# Altium PCB Module Board - OLD.PcbDoc (part 1 of 4) (continued)
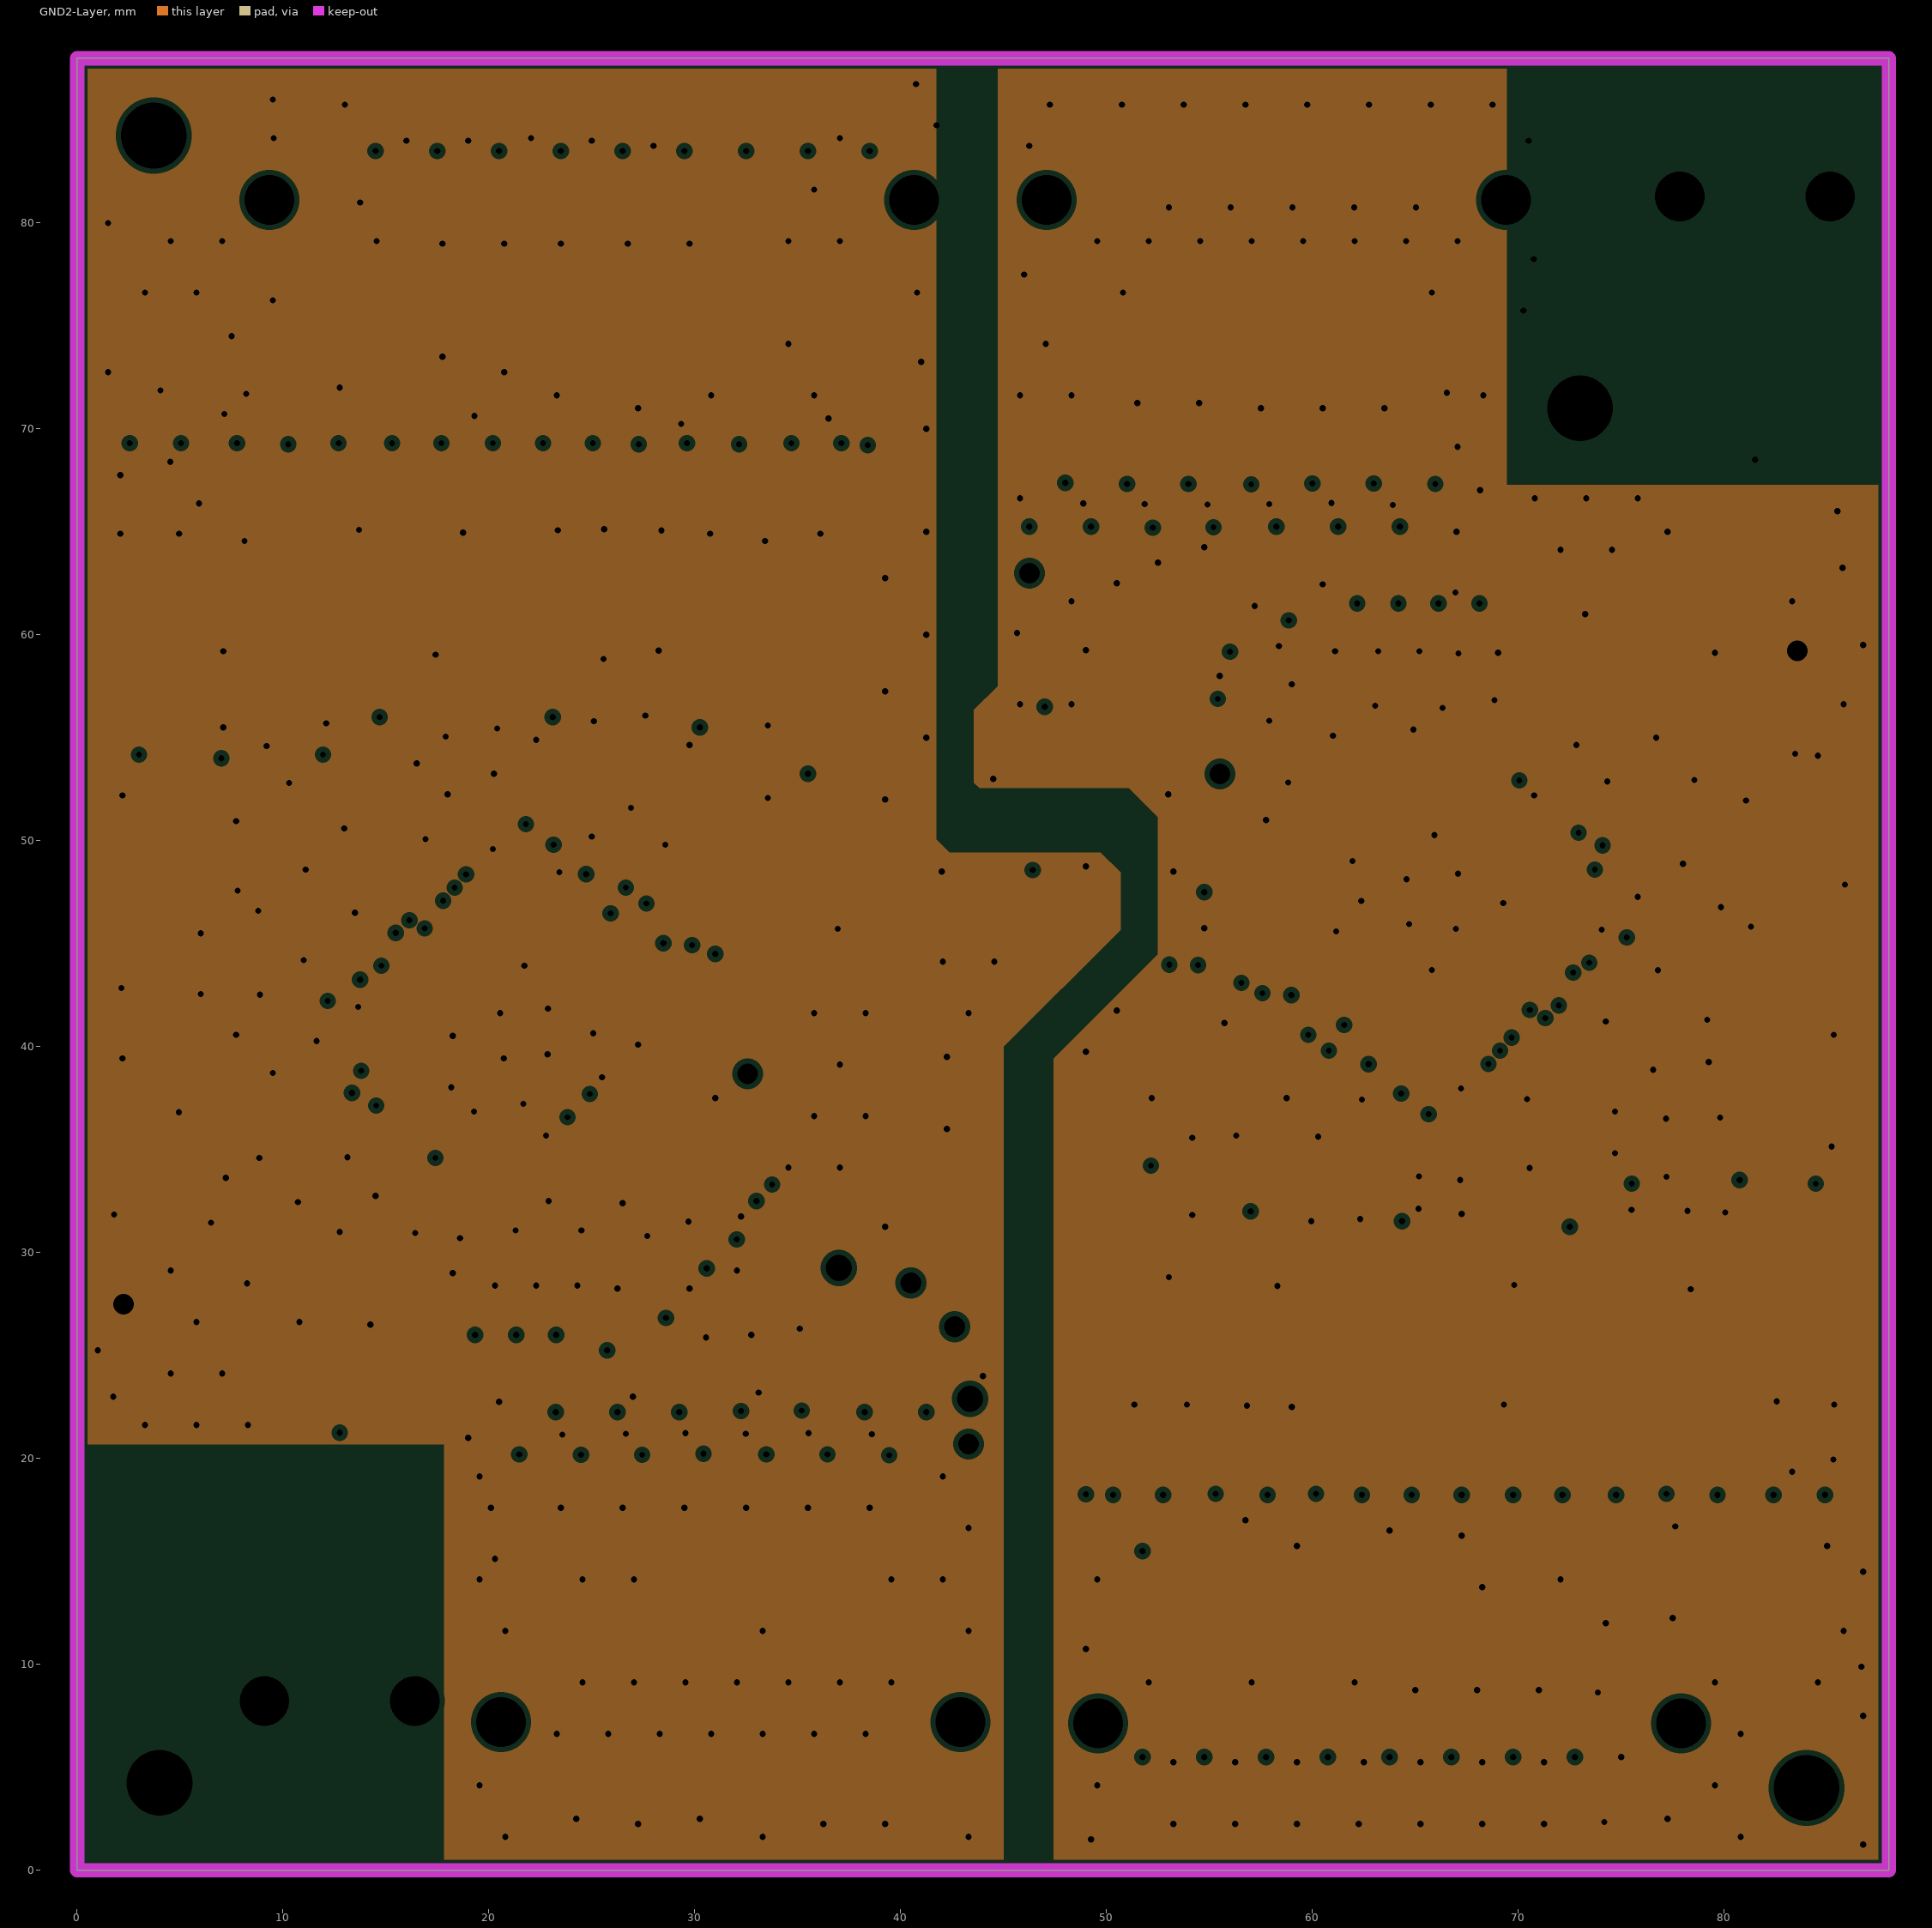
[diagram p3: GND2-Layer, clearances drawn from the general rule]
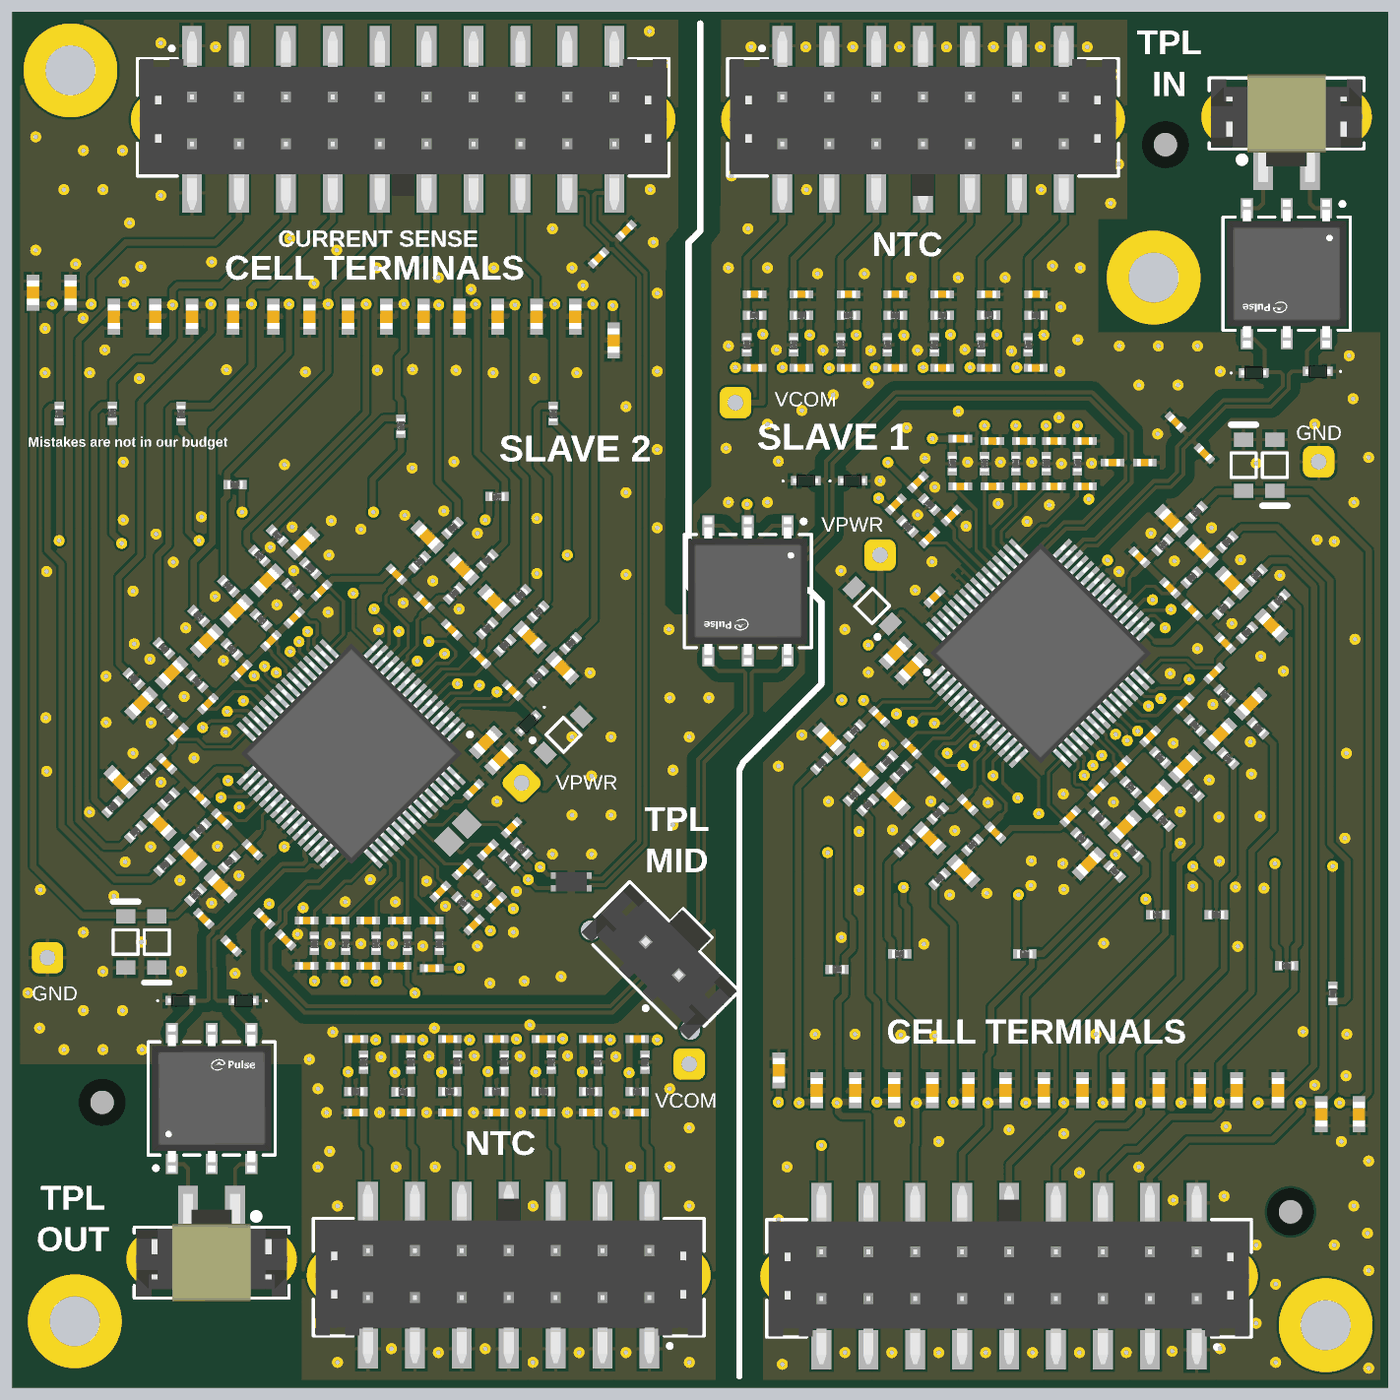
[diagram p7: 3D render of the assembled board from above, using the file's embedded part models]

## Layer stack, top to bottom
Top Solder: solder mask 0.0102, Solder Resist, Dk 3.5
Top Layer: signal copper 0.035
Dielectric1: prepreg 0.36, FR-4, Dk 4.8
GND1-Layer: plane copper 0.035, net (Multiple Nets)
Dielectric2: core 0.71, FR-4, Dk 4.8
GND2-Layer: plane copper 0.035, net (Multiple Nets)
Dielectric3: prepreg 0.36, FR-4, Dk 4.8
Bottom Layer: signal copper 0.035
Bottom Solder: solder mask 0.0102, Solder Resist, Dk 3.5

## Board outline
0,0 88,0 88,88 0,88

## Design rules (kind name [scope] priority, off if disabled: settings)
BoardOutlineClearance [All] p1: gap=0.25 ignorepadtopadclearanceinfootprint=FALSE except(0: Arc-SplitContinuation Track-SplitContinuation SMDPad-SplitContinuation THPad-SplitContinuation Via-SplitContinuation Fill-SplitContinuation Poly-SplitContinuation Region-SplitContinuation Text-SplitContinuation)
Clearance "Schematic Clearance Constraint_3" [InDifferentialPairClass('TPL100')] p1: gap=0.15 ignorepadtopadclearanceinfootprint=FALSE except(0.6: Arc-Fill Arc-Poly Arc-Region Track-Fill Track-Poly Track-Region Fill-Fill Fill-Poly Fill-Region Poly-Poly Poly-Region Region-Region)
Clearance [All] p2: gap=0.15 ignorepadtopadclearanceinfootprint=TRUE
ComponentClearance ComponentClearance_netTie0.4 [HasFootprint('NETTIE_0.4mm')] p1: gap=0.15 collisioncheckmode=3 verticalgap=0.15 showdistances=FALSE
ComponentClearance ComponentClearance_netTie0.2 [HasFootprint('NETTIE_0.2mm')] p2: gap=0.15 collisioncheckmode=3 verticalgap=0.15 showdistances=FALSE
ComponentClearance ComponentClearance_0402 [HasFootprint('FP-RT0402-0_35-MFG')] p3: gap=0.15 collisioncheckmode=3 verticalgap=0.15 showdistances=FALSE
ComponentClearance ComponentClearance_0402cap [HasFootprint('WCAP-CSGP_0402_L1W0.5H0.5')] p4: gap=0.15 collisioncheckmode=3 verticalgap=0.15 showdistances=FALSE
ComponentClearance ComponentClearance_default [All] p5: gap=0.25 collisioncheckmode=3 verticalgap=0.25 showdistances=FALSE
DiffPairsRouting USB90 [InDifferentialPairClass('USB90')] p1: maxlimit=0.2 minlimit=0.15 mostfreqgap=0.15 toplayer_minwidth=0.3 toplayer_maxwidth=0.4 toplayer_prefwidth=0.341 bottomlayer_minwidth=0.3 bottomlayer_maxwidth=0.4 bottomlayer_prefwidth=0.341 impedanceprofiledriven=TRUE impedanceprofileid={DC1DE9DE-C0C6-4966-BB51-316A41783ADE} impedanceprofilevalue=90.000000 maxuncoupledlength=12.7
DiffPairsRouting TPL100 [InDifferentialPairClass('TPL100')] p2: maxlimit=0.2 minlimit=0.15 mostfreqgap=0.15 toplayer_minwidth=0.2 toplayer_maxwidth=0.3 toplayer_prefwidth=0.247 bottomlayer_minwidth=0.2 bottomlayer_maxwidth=0.3 bottomlayer_prefwidth=0.247 impedanceprofiledriven=TRUE impedanceprofileid={703E7EA8-AA8D-435B-A468-5B85F633AE72} impedanceprofilevalue=100.000000 maxuncoupledlength=12.7
DiffPairsRouting CAN120 [InDifferentialPairClass('CAN120')] p3: maxlimit=0.4 minlimit=0.2 mostfreqgap=0.3 toplayer_minwidth=0.2 toplayer_maxwidth=0.3 toplayer_prefwidth=0.248 bottomlayer_minwidth=0.2 bottomlayer_maxwidth=0.3 bottomlayer_prefwidth=0.248 impedanceprofiledriven=TRUE impedanceprofileid={871B5821-40E8-4773-8F16-608F7B2A7119} impedanceprofilevalue=120.000000 maxuncoupledlength=12.7
Height [All] p1: minheight=0 maxheight=999 prefheight=1
HoleSize HoleSize-PTH [All] p1: absolutevalues=TRUE maxlimit=8 minlimit=0.25 maxpercent=80.000 minpercent=20.000
HoleToHoleClearance [All] p1: gap=0.35 allowstackedmicrovias=TRUE
MatchedLengths DiffPair_USB90MatchedLengths [InDifferentialPairClass('USB90')] p1: tolerance=25.4 checknetsindiffpair=FALSE checkdiffpairvsdiffpair=TRUE checkxsignals=TRUE checkothers=TRUE
MatchedLengths DiffPair_TPL100MatchedLengths [InDifferentialPairClass('TPL100')] p2: tolerance=25.4 checknetsindiffpair=TRUE checkdiffpairvsdiffpair=FALSE checkxsignals=FALSE checkothers=FALSE
MatchedLengths DiffPair_CAN120MatchedLengths [InDifferentialPairClass('CAN120')] p3: tolerance=25.4 checknetsindiffpair=FALSE checkdiffpairvsdiffpair=TRUE checkxsignals=TRUE checkothers=TRUE
MinimumAnnularRing [All] p1: minimumring=0.125
MinimumSolderMaskSliver [All] p1: minsoldermaskwidth=0.08
PlaneClearance PlaneClearance-IPI [All] p1: clearance=0.25
PlaneConnect [All] p1: planeconnectstyle=Relief reliefexpansion=0.175 reliefentries=4 reliefconductorwidth=0.3 reliefairgap=0.25
PolygonConnect PolygonConnect-xTW [InNet('+12')] p1: thpad.connectstyle=Relief thpad.reliefconductorwidth=0.5 thpad.reliefentries=4 thpad.polygonreliefangle="90 Angle" thpad.airgapwidth=0.2 smdpad.connectstyle=Relief smdpad.reliefconductorwidth=0.5 smdpad.reliefentries=4 smdpad.polygonreliefangle="90 Angle" smdpad.airgapwidth=0.2 via.connectstyle=Direct via.reliefconductorwidth=0.2 via.reliefentries=4 via.polygonreliefangle="90 Angle" via.airgapwidth=0.2
PolygonConnect PolygonConnect-xTW_1 [All] p2: thpad.connectstyle=Relief thpad.reliefconductorwidth=0.2 thpad.reliefentries=4 thpad.polygonreliefangle="90 Angle" thpad.airgapwidth=0.2 smdpad.connectstyle=Relief smdpad.reliefconductorwidth=0.2 smdpad.reliefentries=4 smdpad.polygonreliefangle="90 Angle" smdpad.airgapwidth=0.2 via.connectstyle=Direct via.reliefconductorwidth=0.2 via.reliefentries=4 via.polygonreliefangle="90 Angle" via.airgapwidth=0.2
RoomDefinition S2 [InComponentClass('S2')] p1: confinementstyle=ConfineIn formatcopy=TRUE lockcomponents=FALSE outline 0.4,16.925 44.6,16.925 44.6,71.675 0.4,71.675
RoomDefinition S1 [InComponentClass('S1')] p2: confinementstyle=ConfineIn formatcopy=TRUE lockcomponents=FALSE outline 87.05,70.6 42.85,70.6 42.85,15.85 87.05,15.85
RoutingCorners [All] p1: cornerstyle=45-Degree minsetback=2.5 maxsetback=2.5
RoutingVias [All] p1: holewidth=0.3 width=0.7 viastyle="Through Hole" minholewidth=0.3 minwidth=0.7 maxholewidth=0.3 maxwidth=0.7 viatemplateguid#1={D02E3224-3B9B-4D0F-A328-4422870A3C3D} viatemplatename#1=v70h30
SMDEntry [All] p1: side=TRUE corner=TRUE anyangle=FALSE
SMDNeckDown SMDNeckDown_1 [All] p1: percent=120.000
SMDToCorner [All] p1: distance=0
SilkToSilkClearance [All] p1: silktosilkclearance=0
SilkToSolderMaskClearance SilkscreenOverComponentPads [IsPad] p1: minsilkscreentomaskgap=0.1 clearancetoexposedcopper=TRUE
SolderMaskExpansion SolderMaskExpansion_Pad [InPadClass('All Pads')] p1: expansion=0.05 istentingtop=FALSE
SolderMaskExpansion SolderMaskExpansion_Via [IsVia] p2: expansion=0.075 istentingtop=FALSE soldermaskfromhole=TRUE
SupplyNets "Schematic Supply Nets_1" [InNet('GND_S1')] p1: voltage=0.000
SupplyNets "Schematic Supply Nets" [InNet('GND_S2')] p2: voltage=0.000
UnRoutedNet [All] p1: checkbadconnections=TRUE
Width [All] p1: maxlimit=2 minlimit=0.2 preferedwidth=0.4
18 further rules are at their usual default settings.

## Classes and differential pairs
differential pair class TPL100: RDTX_IN_S1 RDTX_IN_S2 RDTX_OUT_S1 RDTX_OUT_S2 TPL_IN TPL_OUT
net class S2_CELL[1..14]: S2_CELL1 S2_CELL2 S2_CELL3 S2_CELL4 S2_CELL5 S2_CELL6 S2_CELL7 S2_CELL8 S2_CELL9 S2_CELL10 S2_CELL11 S2_CELL12 S2_CELL13 S2_CELL14
net class S1_CELL[1..14]: S1_CELL1 S1_CELL2 S1_CELL3 S1_CELL4 S1_CELL5 S1_CELL6 S1_CELL7 S1_CELL8 S1_CELL9 S1_CELL10 S1_CELL11 S1_CELL12 S1_CELL13 S1_CELL14
net class S2_NTC[0..6]: S2_NTC0 S2_NTC1 S2_NTC2 S2_NTC3 S2_NTC4 S2_NTC5 S2_NTC6
net class S1_NTC[0..6]: S1_NTC0 S1_NTC1 S1_NTC2 S1_NTC3 S1_NTC4 S1_NTC5 S1_NTC6
channel class Slave: S1 S2
component class S2: C1_S2 C2_S2 C3_S2 C4_S2 C5_S2 C6_S2 C7_S2 C8_S2 C9_S2 C10_S2 C11_S2 C12_S2 C13_S2 C14_S2 C15_S2 C16_S2 C17_S2 C18_S2 C19_S2 C20_S2 C21_S2 C22_S2 C23_S2 C24_S2 C25_S2 C26_S2 C27_S2 C28_S2 C29_S2 C30_S2 C31_S2 C32_S2 C33_S2 C34_S2 C35_S2 C36_S2 C37_S2 C38_S2 C39_S2 C40_S2 C41_S2 C42_S2 C43_S2 C44_S2 C45_S2 C46_S2 C47_S2 C48_S2 C49_S2 C50_S2 C51_S2 C52_S2 C53_S2 C54_S2 C55_S2 C56_S2 C57_S2 C58_S2 C59_S2 C60_S2 C61_S2 C62_S2 C63_S2 C64_S2 C65_S2 C66_S2 C67_S2 C68_S2 C69_S2 C70_S2 C71_S2 C72_S2 C73_S2 C74_S2 C75_S2 C76_S2 C77_S2 C78_S2 C95_S2 D1_S2 D2_S2 D3_S2 D4_S2 D5_S2 D6_S2 D7_S2 D8_S2 IC1_S2 R1_S2 R2_S2 R3_S2 R4_S2 R5_S2 R6_S2 R7_S2 R8_S2 R9_S2 R10_S2 R11_S2 R12_S2 R13_S2 R14_S2 R15_S2 R16_S2 R17_S2 R18_S2 R19_S2 R20_S2 R21_S2 R22_S2 R23_S2 R24_S2 R25_S2 R26_S2 R27_S2 R28_S2 R29_S2 R30_S2 R31_S2 R32_S2 R33_S2 R34_S2 R35_S2 R36_S2 R37_S2 R38_S2 R39_S2 R40_S2 R41_S2 R42_S2 R43_S2 R44_S2 R45_S2 R46_S2 R47_S2 R48_S2 R49_S2 R50_S2 R51_S2 R52_S2 R53_S2 R54_S2 R55_S2 R56_S2 R57_S2 R58_S2 R59_S2 R60_S2 R61_S2 R62_S2 R63_S2 R64_S2 R65_S2 R66_S2 R67_S2 R68_S2 R69_S2 R70_S2 R71_S2 R72_S2 R73_S2 R80_S2 R81_S2 R82_S2 R83_S2 R84_S2 R85_S2 R86_S2 R87_S2 R88_S2 R89_S2 R90_S2 R91_S2 R92_S2 R93_S2 TP1_S2 TP2_S2 TP3_S2
component class S1: C1_S1 C2_S1 C3_S1 C4_S1 C5_S1 C6_S1 C7_S1 C8_S1 C9_S1 C10_S1 C11_S1 C12_S1 C13_S1 C14_S1 C15_S1 C16_S1 C17_S1 C18_S1 C19_S1 C20_S1 C21_S1 C22_S1 C23_S1 C24_S1 C25_S1 C26_S1 C27_S1 C28_S1 C29_S1 C30_S1 C31_S1 C32_S1 C33_S1 C34_S1 C35_S1 C36_S1 C37_S1 C38_S1 C39_S1 C40_S1 C41_S1 C42_S1 C43_S1 C44_S1 C45_S1 C46_S1 C47_S1 C48_S1 C49_S1 C50_S1 C51_S1 C52_S1 C53_S1 C54_S1 C55_S1 C56_S1 C57_S1 C58_S1 C59_S1 C60_S1 C61_S1 C62_S1 C63_S1 C64_S1 C65_S1 C66_S1 C67_S1 C68_S1 C69_S1 C70_S1 C71_S1 C72_S1 C73_S1 C74_S1 C75_S1 C76_S1 C77_S1 C78_S1 C95_S1 D1_S1 D2_S1 D3_S1 D4_S1 D5_S1 D6_S1 D7_S1 D8_S1 IC1_S1 R1_S1 R2_S1 R3_S1 R4_S1 R5_S1 R6_S1 R7_S1 R8_S1 R9_S1 R10_S1 R11_S1 R12_S1 R13_S1 R14_S1 R15_S1 R16_S1 R17_S1 R18_S1 R19_S1 R20_S1 R21_S1 R22_S1 R23_S1 R24_S1 R25_S1 R26_S1 R27_S1 R28_S1 R29_S1 R30_S1 R31_S1 R32_S1 R33_S1 R34_S1 R35_S1 R36_S1 R37_S1 R38_S1 R39_S1 R40_S1 R41_S1 R42_S1 R43_S1 R44_S1 R45_S1 R46_S1 R47_S1 R48_S1 R49_S1 R50_S1 R51_S1 R52_S1 R53_S1 R54_S1 R55_S1 R56_S1 R57_S1 R58_S1 R59_S1 R60_S1 R61_S1 R62_S1 R63_S1 R64_S1 R65_S1 R66_S1 R67_S1 R68_S1 R69_S1 R70_S1 R71_S1 R72_S1 R73_S1 R80_S1 R81_S1 R82_S1 R83_S1 R84_S1 R85_S1 R86_S1 R87_S1 R88_S1 R89_S1 R90_S1 R91_S1 R92_S1 R93_S1 TP1_S1 TP2_S1 TP3_S1
differential pair ISENSE_F: +ISENSE_F_P -ISENSE_F_N
differential pair ISENSE: +ISENSE_P -ISENSE_N
differential pair RDTX_OUT_S2: +RDTX_OUT_S2_P -RDTX_OUT_S2_N
differential pair RDTX_OUT_S1: +RDTX_OUT_S1_P -RDTX_OUT_S1_N
differential pair RDTX_IN_S2: +RDTX_IN_S2_P -RDTX_IN_S2_N
differential pair RDTX_IN_S1: +RDTX_IN_S1_P -RDTX_IN_S1_N
differential pair TPL_OUT: +TPL_OUT_P -TPL_OUT_N
differential pair TPL_IN: +TPL_IN_P -TPL_IN_N

## Components (designator, comment, footprint, x,y, rotation, side; value= is the part's Value field where it differs from the comment)
*1 "GTT standard Fiducial 1.5" "Fiducial 1.5mm" 81.75,11.25 r0 top
*2 "GTT standard Fiducial 1.5" "Fiducial 1.5mm" 73.75,79.5 r0 top
*3 "GTT standard Fiducial 1.5" "Fiducial 1.5mm" 5.75,18.25 r0 top
*4 "GTT standard Fiducial 1.5" "Fiducial 1.5mm" 81.75,11.25 r180 bottom
*5 "GTT standard Fiducial 1.5" "Fiducial 1.5mm" 5.75,18.25 r180 bottom
*6 "GTT standard Fiducial 1.5" "Fiducial 1.5mm" 73.75,79.5 r180 bottom
C1_S1 "CAP 0402 1.2nF X7R" WCAP-CSGP_0402_L1W0.5H0.5 65.45,65.225 r0 top value=1.2nF (schematic designator C1)
C1_S2 "CAP 0402 1.2nF X7R" WCAP-CSGP_0402_L1W0.5H0.5 22,22.3 r180 top value=1.2nF (schematic designator C1)
C2_S1 "CAP 0603 47nF X7R" WCAP-CSGP_0603_L1.6W0.8H0.8_Reflow 51.45,19.025 r270 top value=47nF (schematic designator C2)
C2_S2 "CAP 0603 47nF X7R" WCAP-CSGP_0603_L1.6W0.8H0.8_Reflow 36,68.5 r90 top value=47nF (schematic designator C2)
C3_S1 "CAP 0603 100nF X7R" WCAP-CSGP_0603_L1.6W0.8H0.8_Reflow 52.263,41.486 r315 top value=100nF (schematic designator C3)
C3_S2 "CAP 0603 100nF X7R" WCAP-CSGP_0603_L1.6W0.8H0.8_Reflow 35.187,46.039 r135 top value=100nF (schematic designator C3)
C4_S1 "CAP 0402 10nF X7R" WCAP-CSGP_0402_L1W0.5H0.5 55.456,42.93 r135 top value=10nF (schematic designator C4)
C4_S2 "CAP 0402 10nF X7R" WCAP-CSGP_0402_L1W0.5H0.5 31.994,44.596 r315 top value=10nF (schematic designator C4)
C5_S1 "CAP 0402 1.2nF X7R" WCAP-CSGP_0402_L1W0.5H0.5 65.475,69.925 r180 top value=1.2nF (schematic designator C5)
C5_S2 "CAP 0402 1.2nF X7R" WCAP-CSGP_0402_L1W0.5H0.5 21.975,17.6 r0 top value=1.2nF (schematic designator C5)
C6_S1 "CAP 0402 1.2nF X7R" WCAP-CSGP_0402_L1W0.5H0.5 68.621,60.55 r180 top value=1.2nF (schematic designator C6)
C6_S2 "CAP 0402 1.2nF X7R" WCAP-CSGP_0402_L1W0.5H0.5 18.829,26.975 r0 top value=1.2nF (schematic designator C6)
C7_S1 "CAP 0402 1.2nF X7R" WCAP-CSGP_0402_L1W0.5H0.5 68.621,57.646 r180 top value=1.2nF (schematic designator C7)
C7_S2 "CAP 0402 1.2nF X7R" WCAP-CSGP_0402_L1W0.5H0.5 18.829,29.879 r0 top value=1.2nF (schematic designator C7)
C8_S1 "CAP 0603 47nF X7R" WCAP-CSGP_0603_L1.6W0.8H0.8_Reflow 53.919,19.025 r270 top value=47nF (schematic designator C8)
C8_S2 "CAP 0603 47nF X7R" WCAP-CSGP_0603_L1.6W0.8H0.8_Reflow 33.531,68.5 r90 top value=47nF (schematic designator C8)
C9_S1 "CAP 0603 100nF X7R" WCAP-CSGP_0603_L1.6W0.8H0.8_Reflow 54.35,39.525 r315 top value=100nF (schematic designator C9)
C9_S2 "CAP 0603 100nF X7R" WCAP-CSGP_0603_L1.6W0.8H0.8_Reflow 33.1,48 r135 top value=100nF (schematic designator C9)
C10_S1 "CAP 0402 10nF X7R" WCAP-CSGP_0402_L1W0.5H0.5 57.5,40.875 r135 top value=10nF (schematic designator C10)
C10_S2 "CAP 0402 10nF X7R" WCAP-CSGP_0402_L1W0.5H0.5 29.95,46.65 r315 top value=10nF (schematic designator C10)
C11_S1 "CAP 0402 1.2nF X7R" WCAP-CSGP_0402_L1W0.5H0.5 62.45,65.225 r0 top value=1.2nF (schematic designator C11)
C11_S2 "CAP 0402 1.2nF X7R" WCAP-CSGP_0402_L1W0.5H0.5 25,22.3 r180 top value=1.2nF (schematic designator C11)
C12_S1 "CAP 0603 220pF X7R" WCAP-CSGP_0603_L1.6W0.8H0.8_Reflow 57.5,46 r45 top value=220pF (schematic designator C12)
C12_S2 "CAP 0603 220pF X7R" WCAP-CSGP_0603_L1.6W0.8H0.8_Reflow 30.288,41.288 r45 top value=220pF (schematic designator C12)
C13_S1 "CAP 0603 1nF X7R" WCAP-CSGP_0603_L1.6W0.8H0.8_Reflow 56.5,47 r45 top value=1nF (schematic designator C13)
C13_S2 "CAP 0603 1nF X7R" WCAP-CSGP_0603_L1.6W0.8H0.8_Reflow 31.25,40.25 r45 top value=1nF (schematic designator C13)
C14_S1 "CAP 0603 47nF X7R" WCAP-CSGP_0603_L1.6W0.8H0.8_Reflow 56.4,19.025 r270 top value=47nF (schematic designator C14)
C14_S2 "CAP 0603 47nF X7R" WCAP-CSGP_0603_L1.6W0.8H0.8_Reflow 31.05,68.5 r90 top value=47nF (schematic designator C14)
C15_S1 "CAP 0603 100nF X7R" WCAP-CSGP_0603_L1.6W0.8H0.8_Reflow 56.373,37.66 r135 top value=100nF (schematic designator C15)
C15_S2 "CAP 0603 100nF X7R" WCAP-CSGP_0603_L1.6W0.8H0.8_Reflow 30.831,50.308 r315 top value=100nF (schematic designator C15)
C16_S1 "CAP 0402 10nF X7R" WCAP-CSGP_0402_L1W0.5H0.5 59.345,39.041 r135 top value=10nF (schematic designator C16)
C16_S2 "CAP 0402 10nF X7R" WCAP-CSGP_0402_L1W0.5H0.5 28.105,48.485 r315 top value=10nF (schematic designator C16)
C17_S1 "CAP 0402 1.2nF X7R" WCAP-CSGP_0402_L1W0.5H0.5 62.45,69.925 r180 top value=1.2nF (schematic designator C17)
C17_S2 "CAP 0402 1.2nF X7R" WCAP-CSGP_0402_L1W0.5H0.5 25,17.6 r0 top value=1.2nF (schematic designator C17)
C18_S1 "CAP 0402 1.2nF X7R" WCAP-CSGP_0402_L1W0.5H0.5 66.621,60.55 r180 top value=1.2nF (schematic designator C18)
C18_S2 "CAP 0402 1.2nF X7R" WCAP-CSGP_0402_L1W0.5H0.5 20.829,26.975 r0 top value=1.2nF (schematic designator C18)
C19_S1 "CAP 0402 1.2nF X7R" WCAP-CSGP_0402_L1W0.5H0.5 66.621,57.646 r180 top value=1.2nF (schematic designator C19)
C19_S2 "CAP 0402 1.2nF X7R" WCAP-CSGP_0402_L1W0.5H0.5 20.829,29.879 r0 top value=1.2nF (schematic designator C19)
C20_S1 "CAP 0402 220pF X7R" WCAP-CSGP_0402_L1W0.5H0.5 71.775,54.075 r135 bottom value=220pF (schematic designator C20)
C20_S2 "CAP 0402 220pF X7R" WCAP-CSGP_0402_L1W0.5H0.5 15.675,33.45 r315 bottom value=220pF (schematic designator C20)
C21_S1 "CAP 0402 2.2uF X7R" WCAP-CSGP_0402_L1W0.5H0.5 71,53.275 r135 bottom value=2.2uF (schematic designator C21)
C21_S2 "CAP 0402 2.2uF X7R" WCAP-CSGP_0402_L1W0.5H0.5 16.45,34.25 r315 bottom value=2.2uF (schematic designator C21)
C22_S1 "CAP 0603 47nF X7R" WCAP-CSGP_0603_L1.6W0.8H0.8_Reflow 58.85,19.025 r270 top value=47nF (schematic designator C22)
C22_S2 "CAP 0603 47nF X7R" WCAP-CSGP_0603_L1.6W0.8H0.8_Reflow 28.6,68.5 r90 top value=47nF (schematic designator C22)
C23_S1 "CAP 0603 100nF X7R" WCAP-CSGP_0603_L1.6W0.8H0.8_Reflow 58.663,35.143 r135 top value=100nF (schematic designator C23)
C23_S2 "CAP 0603 100nF X7R" WCAP-CSGP_0603_L1.6W0.8H0.8_Reflow 28.787,52.382 r315 top value=100nF (schematic designator C23)
C24_S1 "CAP 0402 47nF X7R" WCAP-CSGP_0402_L1W0.5H0.5 58.975,50.575 r45 top value=47nF (schematic designator C24)
C24_S2 "CAP 0402 47nF X7R" WCAP-CSGP_0402_L1W0.5H0.5 29.5,38.25 r225 top value=47nF (schematic designator C24)
C25_S1 "CAP 0402 10nF X7R" WCAP-CSGP_0402_L1W0.5H0.5 61.112,37.273 r135 top value=10nF (schematic designator C25)
C25_S2 "CAP 0402 10nF X7R" WCAP-CSGP_0402_L1W0.5H0.5 26.338,50.252 r315 top value=10nF (schematic designator C25)
C26_S1 "CAP 0402 1.2nF X7R" WCAP-CSGP_0402_L1W0.5H0.5 59.475,65.225 r0 top value=1.2nF (schematic designator C26)
C26_S2 "CAP 0402 1.2nF X7R" WCAP-CSGP_0402_L1W0.5H0.5 27.975,22.3 r180 top value=1.2nF (schematic designator C26)
C27_S1 "CAP 0603 47nF X7R" WCAP-CSGP_0603_L1.6W0.8H0.8_Reflow 61.15,19.025 r270 top value=47nF (schematic designator C27)
C27_S2 "CAP 0603 47nF X7R" WCAP-CSGP_0603_L1.6W0.8H0.8_Reflow 26.3,68.5 r90 top value=47nF (schematic designator C27)
C28_S1 "CAP 0603 100nF X7R" WCAP-CSGP_0603_L1.6W0.8H0.8_Reflow 60.835,33.031 r135 top value=100nF (schematic designator C28)
C28_S2 "CAP 0603 100nF X7R" WCAP-CSGP_0603_L1.6W0.8H0.8_Reflow 26.557,54.419 r315 top value=100nF (schematic designator C28)
C29_S1 "CAP 0402 10nF X7R" WCAP-CSGP_0402_L1W0.5H0.5 62.88,35.505 r135 top value=10nF (schematic designator C29)
C29_S2 "CAP 0402 10nF X7R" WCAP-CSGP_0402_L1W0.5H0.5 24.57,52.02 r315 top value=10nF (schematic designator C29)
C30_S1 "CAP 0402 1.2nF X7R" WCAP-CSGP_0402_L1W0.5H0.5 59.475,69.925 r180 top value=1.2nF (schematic designator C30)
C30_S2 "CAP 0402 1.2nF X7R" WCAP-CSGP_0402_L1W0.5H0.5 27.975,17.6 r0 top value=1.2nF (schematic designator C30)
C31_S1 "CAP 0402 1.2nF X7R" WCAP-CSGP_0402_L1W0.5H0.5 64.681,60.55 r180 top value=1.2nF (schematic designator C31)
C31_S2 "CAP 0402 1.2nF X7R" WCAP-CSGP_0402_L1W0.5H0.5 22.769,26.975 r0 top value=1.2nF (schematic designator C31)
C32_S1 "CAP 0402 1.2nF X7R" WCAP-CSGP_0402_L1W0.5H0.5 64.681,57.646 r180 top value=1.2nF (schematic designator C32)
C32_S2 "CAP 0402 1.2nF X7R" WCAP-CSGP_0402_L1W0.5H0.5 22.769,29.879 r0 top value=1.2nF (schematic designator C32)
C33_S1 "CAP 0603 47nF X7R" WCAP-CSGP_0603_L1.6W0.8H0.8_Reflow 63.525,19.025 r270 top value=47nF (schematic designator C33)
C33_S2 "CAP 0603 47nF X7R" WCAP-CSGP_0603_L1.6W0.8H0.8_Reflow 23.925,68.5 r90 top value=47nF (schematic designator C33)
C34_S1 "CAP 0603 100nF X7R" WCAP-CSGP_0603_L1.6W0.8H0.8_Reflow 68.85,33.525 r45 top value=100nF (schematic designator C34)
C34_S2 "CAP 0603 100nF X7R" WCAP-CSGP_0603_L1.6W0.8H0.8_Reflow 18.6,54 r225 top value=100nF (schematic designator C34)
C35_S1 "CAP 0402 10nF X7R" WCAP-CSGP_0402_L1W0.5H0.5 67.679,36.537 r225 top value=10nF (schematic designator C35)